# Altium PCB PCB1.PcbDoc (part 1 of 2)
Units mm, origin at the board's own origin, x right, y up, seen from the top; angles counter-clockwise.
Board outline 152.4 x 101.6 mm, 2 copper layers (Top Layer, Bottom Layer); 133 components, 97 nets, 486 pads, 36 vias.
Unrouted connection lines stored in the file: 116.
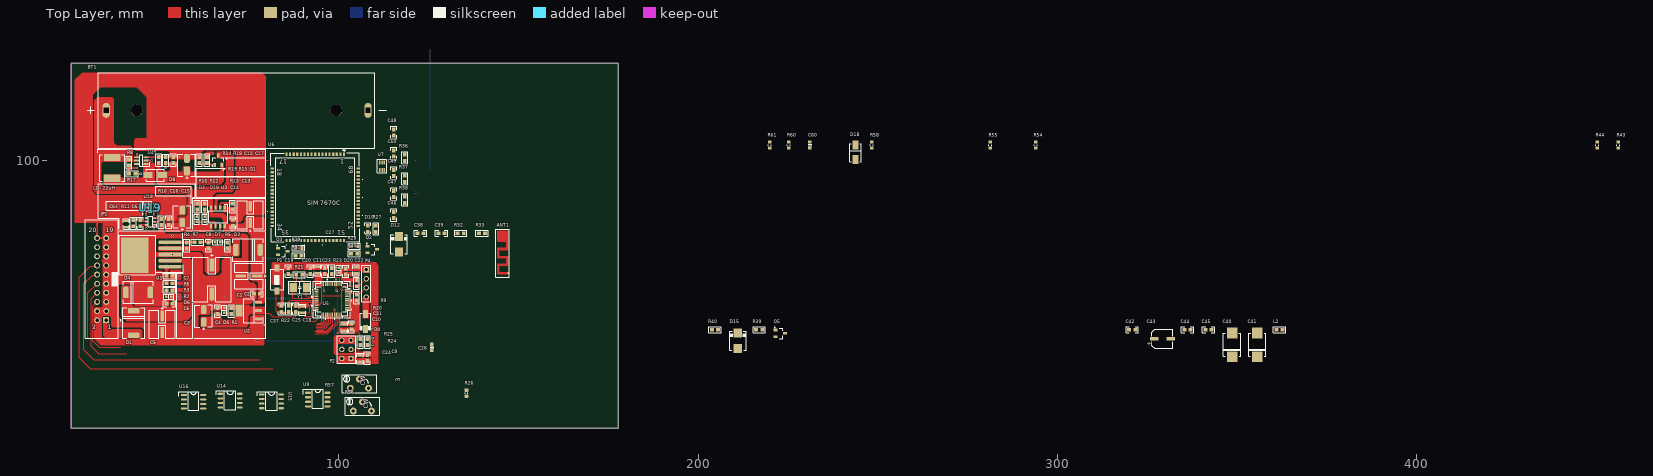
[diagram p0: Top Layer view]
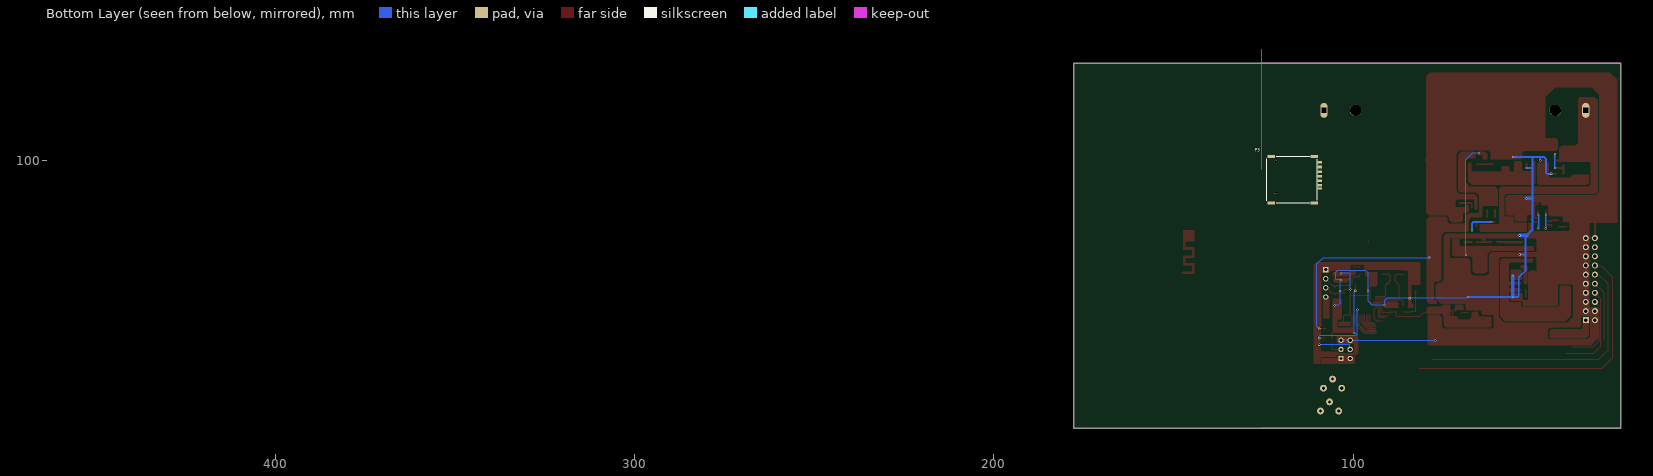
[diagram p1: Bottom Layer view, seen from below]

## Layer stack, top to bottom
Top Solder: solder mask 0.0102, Solder Resist, Dk 3.5
Top Layer: signal copper 0.0356
Dielectric 1: dielectric 0.32, FR-4, Dk 4.8
Bottom Layer: signal copper 0.0356
Bottom Solder: solder mask 0.0102, Solder Resist, Dk 3.5

## Board outline
25.4,25.4 177.8,25.4 177.8,127 25.4,127

## Design rules (kind name [scope] priority, off if disabled: settings)
Clearance [All] p1: gap=0.2 ignorepadtopadclearanceinfootprint=FALSE
PlaneConnect [All] p1: planeconnectstyle=Direct reliefexpansion=0.508 reliefentries=4 reliefconductorwidth=0.254 reliefairgap=0.254
PolygonConnect [All] p1: thpad.connectstyle=Direct thpad.reliefconductorwidth=0.254 thpad.reliefentries=4 thpad.polygonreliefangle="90 Angle" thpad.airgapwidth=0.254 smdpad.connectstyle=Direct smdpad.reliefconductorwidth=0.254 smdpad.reliefentries=4 smdpad.polygonreliefangle="90 Angle" smdpad.airgapwidth=0.254 via.connectstyle=Relief via.reliefconductorwidth=0.254 via.reliefentries=4 via.polygonreliefangle="90 Angle" via.airgapwidth=0.254
RoutingCorners [All] p1: cornerstyle=45-Degree minsetback=0.2 maxsetback=0.2
RoutingVias [All] p1: holewidth=0.2 width=0.6 viastyle="Through Hole" minholewidth=0.2 minwidth=0.6 maxholewidth=0.3 maxwidth=0.7
SolderMaskExpansion [All] p1: expansion=0.102 istentingtop=FALSE
UnRoutedNet [All] p1: checkbadconnections=TRUE
Width [All] p1: maxlimit=1 minlimit=0.15 preferedwidth=0.2
27 further rules are at their usual default settings.

## Classes and differential pairs
component class U_[F_V1]MCU_Sheet: C9 C10 C11 C18 C19 C20 C21 C22 C23 C24 C25 C27 C37 D9 D20 P1 P2 P4 R9 R20 R21 R22 R23 R24 R25 U5 Y1
component class U_[F_V1]_Sensors_And_BlockControl_Sheet: C26 C60 D18 R26 R43 R44 R54 R55 R56 R57 R58 R60 R61 U9 U12 U14 U15 U16
component class U_[F_V1]_PowerSheet: BT1 C1 C2 C3 C4 C5 C6 C7 C8 C12 C13 C14 C15 C16 C17 C63 C64 D1 D2 D3 D4 D5 D6 D7 D8 D19 JP1 L1 "L1 - 22uH" Q1 R1 R2 R3 R4 R5 R6 R7 R8 R10 R11 R12 R13 R14 R15 R16 R17 R18 R19 U1 U2 U3 U4 U18 U19
component class U_[F_V1]_CommMunication_Sheet: ANT1 C38 C39 C40 C41 C42 C43 C44 C45 C46 C47 C48 C49 C50 D10 D12 D15 L2 P3 Q3 Q5 R27 R29 R31 R32 R33 R36 R37 R38 R39 R40 U6 U7

## Components (designator, comment, footprint, x,y, rotation, side; value= is the part's Value field where it differs from the comment)
ANT1 "2.45GHz" "PATCH ANTEN 2.45GHZ" 147.361,68.429 r90 top
BT1 "PIN-18650" PIN 43.688,114.119 r0 top
C1 "100uF" "CAPACITOR 6.3x7.7mm" 74.93,67.818 r90 top
C2 "100nF" "CAPC-0603 (1608)" 77.216,62.865 r0 top value=NF
C3 "25v 10uF SMD" "CAPACITOR 4x5.4mm" 62.357,56.769 r0 top
C4 "100nF" "CAPC-0603 (1608)" 66.167,58.039 r270 top value=NF
C5 "100uF" "CAPACITOR 6.3x7.7mm" 50.8,54.356 r180 top
C6 "1uF" "CAPC-0603 (1608)" 52.835,60.053 r0 top value=NF
C7 "330uF" "CAPACITOR 8x10mm SMD" 64.643,66.816 r180 top
C8 "100nF" "CAPC-0603 (1608)" 63.662,76.334 r270 top value=NF
C9 "NF" "CAPC-0603 (1608)" 107.9,45 r270 top
C10 "10uF" "CAP 10uF SMD 0805" 101.5,53.5 r90 top
C11 "10uF" "CAP 10uF SMD 0805" 93.986,69.439 r270 top
C12 "1000nF" "CAPC-0603 (1608)" 53.848,100.076 r270 top value=NF
C13 "100uF" "CAPACITOR 6.3x7.7mm" 75.31,84.904 r0 top
C14 "100nF" "CAPC-0603 (1608)" 70.484,82.618 r270 top value=NF
C15 "25v 10uF SMD" "CAPACITOR 4x5.4mm" 56.387,84.396 r0 top
C16 "100nF" "CAPC-0603 (1608)" 52.583,82.853 r270 top value=NF
C17 "25v 10uF SMD" "CAPACITOR 4x5.4mm" 57.658,98.806 r0 top
C18 "10uF" "CAP 10uF SMD 0805" 89.906,58.441 r270 top
C19 "NF" "CAPC-0603 (1608)" 85.912,69.208 r270 top
C20 "NF" "CAPC-0603 (1608)" 92.008,69.208 r270 top
C21 "NF" "CAPC-0603 (1608)" 103.5,53.7 r90 top
C22 "10uF" "CAP 10uF SMD 0805" 104.8,69.4 r270 top
C23 "NF" "CAPC-0603 (1608)" 96.037,69.208 r270 top
C24 "10uF" "CAP 10uF SMD 0805" 105.9,44.8 r270 top
C25 "NF" "CAPC-0603 (1608)" 87.958,58.683 r270 top
C26 "104" CAPC1608X90N 125.872,47.957 r90 top
C27 "NF" "CAPC-0603 (1608)" 101.9,69.1 r270 top
C37 "NF" "CAPC-0603 (1608)" 83.9,58.683 r270 top
C38 "NF" "CAPC-0603 (1608)" 122.723,79.732 r0 top
C39 "NF" "CAPC-0603 (1608)" 128.565,79.732 r0 top
C40 "107/16V" CAP_TANTAL_2917(7343-31) 348.742,48.641 r90 top
C41 "107/16V" CAP_TANTAL_2917(7343-31) 355.727,48.641 r90 top
C42 "NF" "CAPC-0603 (1608)" 320.929,52.832 r0 top
C43 "33uF/16V" CAP_ALUM_SMD_5054_TYPE_C 329.311,50.292 r0 top
C44 "NF" "CAPC-0603 (1608)" 336.296,52.832 r0 top
C45 "NF" "CAPC-0603 (1608)" 342.138,52.832 r0 top
C46 "NF" "CAPC-0603 (1608)" 115.22,84.766 r90 top
C47 "NF" "CAPC-0603 (1608)" 115.22,90.608 r90 top
C48 "NF" "CAPC-0603 (1608)" 115.22,107.753 r90 top
C49 "NF" "CAPC-0603 (1608)" 115.22,96.45 r90 top
C50 "NF" "CAPC-0603 (1608)" 115.22,101.911 r90 top
C60 "104" CAPC1608X90N 231.14,104.267 r90 top
C63 "100nF" "CAPC-0603 (1608)" 44.704,82.511 r90 top value=NF
C64 "10uF" "CAP 10uF SMD 0805" 40.767,82.296 r270 top
D1 "S3M" S3M 42.852,54.719 r90 top
D2 "S3M" S3M 74.676,75.057 r0 top
D3 "LED - 0603" "LED - 0603" 60.464,83.558 r270 top
D4 "S3M" S3M 44.069,63.246 r180 top
D5 "LED - 0603" "LED - 0603" 68.072,58.293 r90 top
D6 "LED - 0603" "LED - 0603" 52.578,61.976 r0 top
D7 "LED - 0603" "LED - 0603" 66.292,77.266 r180 top
D8 "SS34" DIODE_DO214AC_SMA 48.895,95.885 r0 top
D9 "Diode  1N4007" DO-214AC 107.4,55.1 r270 top value=1N4007
D10 "RED" LED_0603_RED 108,80.949 r270 top
D12 "39V/11.2A" DIODE_DO214AA_SMB 116.754,76.684 r90 top
D15 "39V/11.2A" DIODE_DO214AA_SMB 211.074,49.784 r90 top
D18 "Diode Zener 3v3 1.5w" DIODE_DO214AC_SMA 243.84,102.235 r90 top
D19 "LED - 0603" "LED - 0603" 62.611,83.566 r270 top
D20 "LED - 0603" "LED - 0603" 100,69.4 r270 top
JP1 "IDC20" "CAPBLE 20" 33.909,66.929 r90 top
"L1 - 22uH" "L-22uH-0530" INDUCTOR-0630-SMD 36.83,97.917 r270 top
L2 "23R/4A" "IND-0603 (1608)" 361.95,52.832 r0 top
P1 "Value" "SW 2P SMD" 82.743,66.8 r90 top
P2 "Header 3X2A" HDR2X3_CEN 103.34,44.82 r90 top
P3 "MUP-C7801" MUP-C7801 123.5,100.7 r270 bottom
P4 "Header 4P" HDR1X4 107.605,69.58 r270 top
Q1 "20V/4A" SOT23_3 66.421,100.076 r90 top
Q2 "2SC1815" SOT23_3 109.3,75.2 r0 top
Q3 "2SC1815" SOT23_3 84.34,74.642 r0 top
Q5 "2SC1815" SOT23_3 222.885,51.816 r0 top
R1 "650R" "RESC-0603 (1608)" 69.977,58.039 r90 top value=5.1R
R2 "1.2K" "RESC-0603 (1608)" 52.832,63.881 r0 top value=5.1R
R3 "6K" "RESC-0603 (1608)" 52.832,65.786 r180 top value=5.1R
R4 "100K" "RESC-0603 (1608)" 57.658,76.327 r90 top value=5.1R
R5 "330R" "RESC-0603 (1608)" 68.947,76.31 r270 top value=5.1R
R6 "6K" "RESC-0603 (1608)" 52.832,67.818 r180 top value=5.1R
R7 "47K" "RESC-0603 (1608)" 60.59,77.208 r180 top value=5.1R
R8 "5.27K" "RESC-0603 (1608)" 41.529,99.441 r270 top value=5.1R
R9 "10K" "RESC-0603 (1608)" 104.9,65.8 r90 top value=5.1R
R10 "5.1R" "RESC-0603 (1608)" 60.579,87.122 r90 top
R11 "100R" "RESC-0603 (1608)" 42.672,82.511 r270 top value=5.1R
R12 "5.1R" "RESC-0603 (1608)" 62.611,87.122 r90 top
R13 "1.2K" "RESC-0603 (1608)" 70.357,87.19 r90 top value=5.1R
R14 "14.7K" "RESC-0603 (1608)" 49.784,100.076 r90 top value=5.1R
R15 "5.1R" "RESC-0603 (1608)" 63.246,100.076 r270 top
R16 "1K" "RESC-0603 (1608)" 50.546,82.853 r270 top value=5.1R
R17 "5K" "RESC-0603 (1608)" 42.418,96.266 r0 top value=5.1R
R18 "2K" "RESC-0603 (1608)" 51.733,100.067 r270 top value=5.1R
R19 "5.1R" "RESC-0603 (1608)" 61.087,100.076 r270 top
R20 "10K" "RESC-0603 (1608)" 104.9,61.8 r270 top value=5.1R
R21 "1K" "RESC-0603 (1608)" 88.96,68.192 r0 top value=5.1R
R22 "10K" "RESC-0603 (1608)" 86,58.683 r270 top value=5.1R
R23 "1K" "RESC-0603 (1608)" 98,69.2 r90 top value=5.1R
R24 "10K" "RESC-0603 (1608)" 105.938,49.462 r270 top value=5.1R
R25 "10K" "RESC-0603 (1608)" 107.938,49.462 r90 top value=5.1R
R26 "10K" RESC1608N_ZERO 135.524,35.169 r90 top
R27 "NF" "RESC-0603 (1608)" 110.3,80.95 r90 top
R28 "NF" "RESC-0603 (1608)" 104.25,76.1 r0 top
R29 "NF" "RESC-0603 (1608)" 88.7,75.6 r0 top
R30 "NF" "RESC-0603 (1608)" 104.25,74 r0 top
R31 "NF" "RESC-0603 (1608)" 88.7,73.5 r0 top
R32 "NF" "RESC-0603 (1608)" 133.899,79.732 r0 top
R33 "NF" "RESC-0603 (1608)" 139.868,79.732 r0 top
R36 "NF" "RESC-0603 (1608)" 118.368,100.728 r90 top
R37 "NF" "RESC-0603 (1608)" 118.368,94.886 r90 top
R38 "NF" "RESC-0603 (1608)" 118.368,89.044 r90 top
R39 "NF" "RESC-0603 (1608)" 217.043,52.832 r0 top
R40 "NF" "RESC-0603 (1608)" 204.724,52.832 r0 top
R43 "10K" RESC1608N_ZERO 456.311,104.267 r90 top
R44 "10K" RESC1608N_ZERO 450.469,104.267 r90 top
R54 "10K" RESC1608N_ZERO 294.005,104.267 r90 top
R55 "20K" RESC1608N_ZERO 281.432,104.267 r90 top
R56 "25 Turn" "TrimPot_THT_2.54mm pitch" 104,30.2 r90 top value=10K
R57 "25 Turn" "TrimPot_THT_2.54mm pitch" 103.16,36.56 r90 top value=10K
R58 "10K" RESC1608N_ZERO 248.412,104.267 r90 top
R60 "1K" RESC1608N_ZERO 225.298,104.267 r90 top
R61 "10K" RESC1608N_ZERO 219.964,104.267 r90 top
U1 "MIC29302A" MIC29302A 46.482,73.787 r90 top
U2 "AMS1117 - 3.3V" "AMS1117 -3.3V" 74.897,58.18 r90 top
U3 "TP4056" TP4056 66.293,84.269 r180 top
U4 "MT3608" MT3608 44.958,99.949 r90 top
U5 "STM32F103C8T6" STM32F103C8T6 98,61.3 r0 top
U6 "Module Sim A7670C" "Module Sim A7670C" 93.4,89.7 r180 top
U7 "SMF05CT2G" SOT65P210X140-6N 112,98.4 r270 top
U9 "LM358D" LM358 94.1,33.4 r270 top
U14 "TLC4502" TLC4502 69.7,33.1 r270 top
U15 "TLC4502" TLC4502 81.2,32.9 r270 top
U16 "LM358D" LM358 59.5,32.8 r270 top
U18 "DW01A" DW01A 47.496,82.966 r90 top
U19 "FS8205" FS8205 47.498,86.868 r270 top
Y1 "CRYSTAL - 8MHZ" "CRYSTAL - 8Mhz" 89.1,64.6 r180 top

## Footprints (in the part's own frame and the unit in brackets; to place one, negate y for a bottom-side part, rotate by r counter-clockwise, add the part's x,y. Pads: shape width x height; smd on the part's side, far side on the other; paste and mask are expansions set on the pad)
"AMS1117 -3.3V" [mm]
  rrect50% 0.8x1.9 smd: 1(-2.3,-2.7) 2(0,-2.7) 3(2.3,-2.7)
  rect 3.25x1.9 smd: 2(0,2.7)
  silkscreen extent -3.35,-4.06 3.35,1.45, body extent -3.25,-3.5 3.25,3.5, height 1.8
"CAP 10uF SMD 0805" [mm]
  rect 0.7x1.4 smd: 1(-0.9,0) 2(0.9,0)
  silkscreen extent -1.5,-0.9 1.5,0.9, body extent -1,-0.62 1,0.62, height 1.3
CAP_ALUM_SMD_5054_TYPE_C [mm]
  rect 2.4x1 smd: 1(-2.3,0) 2(2.3,0)
  silkscreen extent -2.92,-2.65 2.95,2.67, body extent -2.95,-2.65 2.95,2.65, height 5.41
CAP_TANTAL_2917(7343-31) [mm] "Chip capacitor, Body 6.0x3.2mm, IPC High Density"
  rect 3x3 smd: 1(-3.3,0) 2(3.3,0)
  silkscreen extent -3.2,-2.41 3.2,2.41, body extent -3.8,-2.3 3.8,2.3, height 3.1
"CAPACITOR 4x5.4mm" [mm]
  rrect50% 1.6x2.5 smd: 1(0,-1.75) 2(0,1.75)
  silkscreen extent -2.5,-3.94 2.3,2.97, body extent -2.25,-2.5 2.05,2.5, height 5.8
"CAPACITOR 6.3x7.7mm" [mm]
  rect 0.9x3 smd: 1(0,-2.3) 2(0,2.3)
  silkscreen extent -3.61,-4.76 3.6,3.9, body extent -3.3,-3.65 3.3,3.65, height 7.7
"CAPACITOR 8x10mm SMD" [mm]
  rect 1.4x3.7 smd: 1(0,-4.05) 1(0,-4.05) 2(0,4.05)
  silkscreen extent -5.4,-7.11 5.4,6.2, body extent -5.15,-5.85 5.15,5.85, height 10.3
"CAPBLE 20" [mm]
  rect 1.65x1.65 hole 1: 1(-11.43,-1.27)
  round 1.65 hole 1: 2(-11.43,1.27) 3(-8.89,-1.27) 4(-8.89,1.27) 5(-6.35,-1.27) 6(-6.35,1.27) 7(-3.81,-1.27) 8(-3.81,1.27) 9(-1.27,-1.27) 10(-1.27,1.27) 11(1.27,-1.27) 12(1.27,1.27) 13(3.81,-1.27) 14(3.81,1.27) 15(6.35,-1.27) 16(6.35,1.27) 17(8.89,-1.27) 18(8.89,1.27) 19(11.43,-1.27) 20(11.43,1.27)
  silkscreen extent -16.51,-5.38 16.51,4.6, body extent -16.48,-4.27 16.52,4.58, height 8.92
CAPC1608X90N [mm] "Chip Capacitor, Body 1.6x0.8mm, EIA 0603, IPC Medium Density"
  round 0.254 on Mech15: 0(0,0)
  rrect25% 0.9x1 smd: 1(-0.85,0) 2(0.85,0)
  Top Layer pour cut-out: -0.6,0.5 -0.4,0.7 0.4,0.7 0.6,0.5 0.6,-0.5 0.4,-0.7 -0.4,-0.7 -0.6,-0.5
  silkscreen extent -0.18,-0.48 0.18,0.48, body extent -0.85,-0.45 0.85,0.45, height 0.89
"CAPC-0603 (1608)" [mm] "Resistor, Chip; 1.60 mm L X 0.80 mm W X 0.50 mm H body"
  rect 1.1x1 smd mask+0.1: 1(-0.85,0) 2(0.85,0)
  silkscreen extent -1.71,-0.81 1.71,0.81, body extent -0.8,-0.4 0.8,0.4, height 0.6
"CRYSTAL - 8Mhz" [mm]
  rect 2x2.6 smd: 1(-1.85,0) 2(1.85,0)
  silkscreen extent -3.1,-1.8 3.1,1.7, body extent -2.61,-1.63 2.39,1.57, height 1.2
DIODE_DO214AA_SMB [mm] "DIODE_DO214AA_SMB type"
  rect 2.5x2.3 smd: 1(-2.198,0) 2(2.173,0)
  silkscreen extent -2.68,-2.31 2.65,2.31, body extent -2.68,-1.85 2.62,1.85, height 2.3
DIODE_DO214AC_SMA [mm] "Diode 2214AC- SMA type"
  rect 2.5x1.7 smd: 1(-2.032,0) 2(2.032,0)
  silkscreen extent -2.59,-1.63 2.46,1.7, body extent -2.53,-1.35 2.47,1.35, height 2.25
DO-214AC [mm] "JEDEC DO214 variation AC. SMA"
  round 0.508 on Mech15: 0(0,0)
  rrect25% 2.2x1.5 smd: A(-2.1,0) K(2.1,0)
  silkscreen extent -2.3,-1.4 2.3,1.4, body extent -2.6,-1.3 2.6,1.3, height 2.42
DW01A [mm]
  rect 0.4x0.8 smd: 1(-0.95,-1.1) 2(0,-1.1) 3(0.95,-1.1)
  rect 0.5x0.8 smd: 4(0.95,1.1) 5(0,1.1) 6(-0.95,1.1)
  silkscreen extent -1.5,-1.81 1.5,0.6, body extent -1.43,-1.4 1.42,1.4, height 1.35
FS8205 [mm]
  rect 0.6x0.8 smd: 1(-0.95,-1.1) 2(0,-1.1) 3(0.95,-1.1) 4(0.95,1.1) 5(0,1.1) 6(-0.95,1.1)
  silkscreen extent -1.7,-1.79 1.3,0.4, body extent -1.45,-1.4 1.45,1.4, height 1.43
HDR1X4 [mm] "Connector; Header; 4 Position"
  rect 1.5x1.5 hole 0.9: 1(0,0)
  round 1.5 hole 0.9: 2(2.54,0) 3(5.08,0) 4(7.62,0)
  silkscreen extent -1.27,-1.27 8.89,1.27, body extent -1.27,-1.27 8.89,1.27, height 7
HDR2X3_CEN [mm] "Connector; Header; 3x2 Position"
  rect 1.5x1.5 hole 0.9: 1(0,0)
  round 1.5 hole 0.9: 2(2.54,0) 3(5.08,0) 4(0,2.54) 5(2.54,2.54) 6(5.08,2.54)
  silkscreen extent -1.27,-1.27 6.35,3.81, body extent -1.27,-1.27 6.35,3.81, height 7
"IND-0603 (1608)" [mm] "Resistor, Chip; 1.60 mm L X 0.80 mm W X 0.50 mm H body"
  rect 1.1x1 smd mask+0.1: 1(-0.85,0) 2(0.85,0)
  silkscreen extent -1.71,-0.81 1.71,0.81, body extent -0.92,-0.56 0.92,0.56, height 0.9
INDUCTOR-0630-SMD [mm]
  rect 2x4.6 smd: 1(-2.9,0) 2(2.9,0)
  silkscreen extent -3.7,-3.5 3.7,3.5, body extent -3.5,-3.3 3.5,3.3, height 2.8
"LED - 0603" [mm]
  rrect50% 0.7x0.7 smd: 1(-0.7,0) 2(0.7,0)
  silkscreen extent -1.4,-0.7 1.4,0.7, body extent -0.85,-0.45 0.85,0.45, height 0.9
LED_0603_RED [mm] "LED SMD; Body 1.6 x 0.8 mm (LxW typ)"
  rect 1.1x1 smd mask+0.1: 1(-0.851,0) 2(0.849,0)
  silkscreen extent -1.71,-0.81 1.71,0.81, body extent -0.8,-0.4 0.8,0.4, height 0.75
LM358 [mm]
  oval 0.6x1.7 smd: 1(-1.905,-2.7) 2(-0.635,-2.7) 3(0.635,-2.7) 4(1.905,-2.7) 5(1.905,2.7) 6(0.635,2.7) 7(-0.635,2.7) 8(-1.905,2.7)
  silkscreen extent -2.8,-4.1 2.45,1.5, body extent -2.45,-3.01 2.45,3.01, height 1.63
MIC29302A [mm] "MIC29302A - 3.3V 3A"
  rrect50% 1.02x6.35 smd: 1(-3.4,-6.477) 2(-1.7,-6.477) 3(0,-6.477) 4(1.7,-6.477) 5(3.4,-6.477)
  rect 10x7.7 smd: 3(-0.2,3.3)
  silkscreen extent -5.67,-10.11 5.3,7.6, body extent -4.89,-6.37 4.76,7.1, height 4.36
"Module Sim A7670C" [mm] "Module Sim A7670C"
  rect 0.6x0.9 smd mask+0.1: 1(-8,-12) 2(-7,-12) 3(-6,-12) 4(-5,-12) 5(-4,-12) 6(-3,-12) 7(-2,-12) 8(-1,-12) 9(0,-12) 10(1,-12) 11(2,-12) 12(3,-12) 13(4,-12) 14(5,-12) 15(6,-12) 16(7,-12) 17(8,-12) 35(8,12) 36(7,12) 37(6,12) 38(5,12) 39(4,12) 40(3,12) 41(2,12) 42(1,12) 43(0,12) 44(-1,12) 45(-2,12) 46(-3,12) 47(-4,12) 48(-5,12) 49(-6,12) 50(-7,12) 51(-8,12)
  rect 0.9x0.6 smd mask+0.1: 18(12,-8) 19(12,-7) 20(12,-6) 21(12,-5) 22(12,-4) 23(12,-3) 24(12,-2) 25(12,-1) 26(12,0) 27(12,1) 28(12,2) 29(12,3) 30(12,4) 31(12,5) 32(12,6) 33(12,7) 34(12,8) 52(-12,8) 53(-12,7) 54(-12,6) 55(-12,5) 56(-12,4) 57(-12,3) 58(-12,2) 59(-12,1) 60(-12,0) 61(-12,-1) 62(-12,-2) 63(-12,-3) 64(-12,-4) 65(-12,-5) 66(-12,-6) 67(-12,-7) 68(-12,-8)
  silkscreen extent -13.2,-13.33 13.25,13.21, body extent -12,-12 12,12, height 2.3
MT3608 [mm]
  rrect50% 0.5x1.4 smd: 1(-0.95,-1.3) 2(0,-1.3) 3(0.95,-1.3) 4(0.95,1.3) 5(0,1.3) 6(-0.95,1.3)
  silkscreen extent -1.6,-2.3 1.6,0.4, body extent -1.45,-1.4 1.45,1.4, height 1.45
MUP-C7801 [mm]
  round 0.75 hole 0.75 unplated mask+0.102: 1(1.1,2) 1(9.6,2)
  rect 0.7x1.14 smd: 1(6.35,14.23) 2(3.81,14.23) 3(1.27,14.23) 5(7.62,14.23) 6(5.08,14.23) 7(2.54,14.23)
  rect 0.6x1.14 smd: CD(8.57,14.23)
  rect 0.8x2.1 smd: MP(-0.4,0.75) MP(-0.4,12.75) MP(12.6,0.75) MP(12.6,12.75)
  Top Layer pour cut-out: 6.46,10.275 6.46,13.225 8.26,13.225 8.26,10.275
  Top Layer pour cut-out: 1.38,6.25 1.38,9.2 3.18,9.2 3.18,6.25
  Top Layer pour cut-out: 3.92,6.25 3.92,9.2 5.72,9.2 5.72,6.25
  Top Layer pour cut-out: 6.46,6.25 6.46,9.2 8.26,9.2 8.26,6.25
  Top Layer pour cut-out: 6.46,0.275 6.46,3.225 8.26,3.225 8.26,0.275
  Top Layer pour cut-out: 3.92,0.275 3.92,3.225 5.72,3.225 5.72,0.275
  Top Layer pour cut-out: 1.38,0.275 1.38,3.225 3.18,3.225 3.18,0.275
  silkscreen extent -0.38,-0.5 12.57,13.47, body extent -0.4,0 12.6,14.45, height 1.35
"PATCH ANTEN 2.45GHZ" [mm]
  rect 0.45x0.45 smd mask+0.102: 1(0.225,0.225)
  Top Layer region: 0,0 0.45,0 0.45,2.75 2.318,2.75 2.318,0.156 4.868,0.156 4.868,2.75 6.736,2.75 6.736,0.156 12.004,0.156 12.004,3.2 9.036,3.2 9.036,0.606 7.186,0.606 7.186,3.2 4.418,3.2 4.418,0.606 2.768,0.606 2.768,3.2 0,3.2
  Top Layer lines w0.02: 0,3.2 0,0 0.45,0 0.45,2.75 2.318,2.75 2.318,0.156 4.868,0.156 4.868,2.75 6.736,2.75 6.736,0.156 12.004,0.156 12.004,3.2 9.036,3.2 9.036,0.606 7.186,0.606 7.186,3.2 4.418,3.2 4.418,0.606 2.768,0.606 2.768,3.2 0,3.2
  silkscreen extent -1,0 12.35,3.7
PIN [mm]
  oval 2.07x4.14 hole 1.38 square: 1(-8.495,-0.2) 2(64.405,-0.2)
  round 3.2 hole 3.2 unplated: ""(0,-0.2) ""(55.615,-0.2)
  silkscreen extent -13.83,-10.69 69.43,10.29, body extent -11.4,-10.65 66.3,10.25, height 21.91
RESC1608N_ZERO [mm] "Chip Resistor, Body 1.6x0.8mm, 0603, IPC Medium Density"
  round 0.254 on Mech15: 0(0,0)
  rrect25% 0.9x1 smd: 1(-0.85,0) 2(0.85,0)
  Top Layer pour cut-out: -0.6,0.5 -0.4,0.7 0.4,0.7 0.6,0.5 0.6,-0.5 0.4,-0.7 -0.4,-0.7 -0.6,-0.5
  silkscreen extent -0.15,-0.41 0.15,0.41, body extent -0.87,-0.47 0.88,0.48, height 0.54
"RESC-0603 (1608)" [mm] "Resistor, Chip; 1.60 mm L X 0.80 mm W X 0.50 mm H body"
  rect 1.1x1 smd mask+0.1: 1(-0.85,0) 2(0.85,0)
  silkscreen extent -1.71,-0.81 1.71,0.81, body extent -0.8,-0.4 0.8,0.4, height 0.5
S3M [mm]
  rrect50% 1.524x3.27 smd: 1(-3.405,0) 2(3.405,0)
  silkscreen extent -4.2,-3.1 4.2,3.1, body extent -3.97,-2.95 3.97,2.95, height 2.85
SOT23_3 [mm] "SOT23, 3-Leads, Body 2,90x2,30mm, Pitch 0,95mm, IPC Medium Density"
  rect 1.1x0.7 smd: 1(-1.3,0.95) 2(-1.3,-0.95) 3(1.3,0)
  silkscreen extent -1.65,-1.5 0.7,1.78, body extent -1.3,-1.5 1.3,1.5, height 1.1
SOT65P210X140-6N [mm] "SOT23, 6-Leads, Body 2.00x2.10mm, Pitch 0.65mm, IPC Medium Density"
  round 0.4 on Top Overlay: 0(-1.4,1.1)
  rect 1.15x0.4 smd: 1(-1.05,0.65) 2(-1.05,0) 3(-1.05,-0.65) 4(1.05,-0.65) 5(1.05,0) 6(1.05,0.65)
  silkscreen extent -1.88,-1.35 1.88,1.35, body extent -1.13,-1 1.13,1, height 1
STM32F103C8T6 [mm]
  rect 1.2x0.3 smd: 1(-4.25,2.74) 2(-4.25,2.25) 3(-4.25,1.75) 4(-4.25,1.25) 5(-4.25,0.75) 6(-4.25,0.25) 7(-4.25,-0.25) 8(-4.25,-0.75) 9(-4.25,-1.25) 10(-4.25,-1.75) 11(-4.25,-2.25) 12(-4.25,-2.75) 25(4.25,-2.75) 26(4.25,-2.25) 27(4.25,-1.75) 28(4.25,-1.25) 29(4.25,-0.75) 30(4.25,-0.25) 31(4.25,0.25) 32(4.25,0.75) 33(4.25,1.25) 34(4.25,1.75) 35(4.25,2.25) 36(4.25,2.75)
  rect 0.3x1.2 smd: 13(-2.75,-4.25) 14(-2.25,-4.25) 15(-1.75,-4.25) 16(-1.25,-4.25) 17(-0.75,-4.25) 18(-0.25,-4.25) 19(0.25,-4.25) 20(0.75,-4.25) 21(1.25,-4.25) 22(1.75,-4.25) 23(2.25,-4.25) 24(2.75,-4.25) 37(2.75,4.25) 38(2.25,4.25) 39(1.75,4.25) 40(1.25,4.25) 41(0.75,4.25) 42(0.25,4.25) 43(-0.25,4.25) 44(-0.75,4.25) 45(-1.25,4.25) 46(-1.75,4.25) 47(-2.25,4.25) 48(-2.75,4.25)
  silkscreen extent -5.7,-5.61 5.63,5.61, body extent -4.5,-4.46 4.5,4.54, height 1.48
"SW 2P SMD" [mm]
  rect 2x1.4 smd: 1(-3.2,-0.051) 2(3.2,-0.051)
  silkscreen extent -2.82,-1.91 2.82,1.8, body extent -3.05,-1.9 3.05,1.8, height 2.5
TLC4502 [mm]
  oval 0.6x1.55 smd: 1(-1.905,-2.7) 2(-0.635,-2.7) 3(0.635,-2.7) 4(1.905,-2.7) 5(1.905,2.7) 6(0.635,2.7) 7(-0.635,2.7) 8(-1.905,2.7)
  silkscreen extent -2.7,-3.9 2.5,1.6, body extent -2.45,-2.97 2.45,3.05, height 1.63
TP4056 [mm]
  rrect50% 0.6x1.2 smd: 1(-1.905,-2.6) 1(-1.905,-2.6) 2(-0.635,-2.6) 3(0.635,-2.6) 4(1.905,-2.6) 5(1.905,2.6) 6(0.635,2.6) 7(-0.635,2.6) 8(-1.905,2.6)
  silkscreen extent -2.7,-3.55 2.5,1.6, body extent -2.45,-3 2.45,3, height 1.75
"TrimPot_THT_2.54mm pitch" [mil] "TRIMMER, MURATA, PV36Y"
  round 75 hole 35: 1(0,0) 2(100,-100) 3(0,-200)
  silkscreen extent -47,-291 150,91, body extent -47,-287 150,91, height 445

## Part data
ANT1: library part "PCB antenna 2.45GHZ", "PCB ANTENNA 2.45GHZ"
C1 C5 C13: library part "25V 100uF SMD"
C2 C4 C6 C8 C9 C12 C14 C16 C19 C20 C21 C23 C25 C27 C37 C38 C39 C42 C44 C45 C46 C47 C48 C49 C50 C63: library part "CAPC NF 0603", "CAP SMD, Not Fill, 0603", Category=CAPACITOR, Solder="Not Fill"
C7: library part "25V 330uF SMD"
C10 C11 C18 C22 C24 C64: library part "CAP 0805 10uF SMD"
C26 C60: library part "CAP C_0603", "Capacitor SMD Cer 470nF 10% 16V X7R 0603", Manufacturer 1="Murata Electronics North America", Manufacturer 2="TDK Corporation", Manufacturer 3="Taiyo Yuden", Manufacturer 4=Samsung, Manufacturer Part Number 1=GRM188R71C474KA88D, Manufacturer Part Number 2=C1608X7R1C474K, Manufacturer Part Number 3=EMK107B7474KA-T, Manufacturer Part Number 4=CL10B474KONE, Package / Case="0603 (1608 metric)", Ratings="16V; X7R", Supplier Part Number 1=490-3295-2-ND, Tolerance=±10%, ComponentLink1Description=http://psearch.murata.com/capacitor/product/GRM188R71C474KA88#.pdf, ComponentLink1URL=http://psearch.murata.com/capacitor/product/GRM188R71C474KA88#.pdf, ComponentLink2Description=http://product.tdk.com/capacitor/mlcc/en/documents/mlcc_commercial_general_en.pdf, ComponentLink2URL=http://product.tdk.com/capacitor/mlcc/en/documents/mlcc_commercial_general_en.pdf, ComponentLink3Description=http://www.yuden.co.jp/or/product/category/capacitor/EMK107B7474KA-T.pdf, ComponentLink3URL=http://www.yuden.co.jp/or/product/category/capacitor/EMK107B7474KA-T.pdf, Material=ceramic, SCDType=spec, Supplier 1=Digi-Key, Supplier 2=Digi-Key, Supplier 3=Digi-Key, Supplier Part Number 2=445-5192-2-ND, Supplier Part Number 3=587-1250-2-ND
C40 C41: library part TAJD107K016RNJ, "CAP TANT 100uF 16V 10% 2917", Category=CAPACITOR, CompanyID=VT-00022, MPN=TAJD107K016RNJ, PinCount=2, Solder=SMT
C43: library part EEE-FK1C330P, "CAP ALUM 33uF 20% 16V SMD", MFR=Panasonic, Category=CAPACITOR, MPN=EEE-FK1C330P, PinCount=2, Solder=SMT
D8: "DIODE SCHOTTKY 40V 3A SMA", MPN=SS34, Solder=SMT
D9: "Diode 1A"
D10: library part "LED RED 0603", "LED RED 0603 SMD", Solder=SMT
D12 D15: library part P6SMB39AT3G, "TVS DIODE 39V  600W SMB", CompanyID=VT-00089, MPN=P6SMB39AT3G, Solder=SMT
D18: library part "1SMA5913BT3G; BZG05C3V3TR", "DIODE ZENER 3.3V 1.5W SMA, DO-214AC", MPN=1SMA5913BT3G, CompanyID=VT-00944, Solder=SMT
JP1: library part "CAPBLE 20", "Flat Cable Connector (IDC), Standard Male Header, Straight Press-in Pin, 20 Contacts, Performance Level 2", PackageDocument=Feb-2000, ComponentLink1Description="Manufacturer Link", ComponentLink1URL=http://www.harting.com/, ComponentLink2Description="Packaging Specification", ComponentLink2URL=http://www.harkis.harting.com/_sek/pdf/TB_0918520x329_BL01_R32154.pdf, DrillSize="Corresponds to nominal value.", PackageReference=918520x329, PCB_Layout="Complies with manufacturer's recommendation.", Published=15-Nov-2004, Publisher="Altium Limited"
L2: library part FBMJ1608HM230NT, "IND-FERRITE BEAD 23 OHM  4A 0603 1LN", Category="FERRITE BEAD", CompanyID=VT-01060, MPN=FBMJ1608HM230NT, PinCount=2, Solder=SMT
P1: library part "Button 2 SMD", "SMD Mini Push Button Switch 2 Pin 3x6x2.7mm", MPN="SMD Mini Push Button 2 SMD", Link=https://ram-e-shop.com/product/press2pin-smd/
P2: "Header, 3-Pin, Dual row", LatestRevisionDate=17-Jul-2002, LatestRevisionNote="Re-released for DXP Platform.", Publisher="Altium Limited"
P3: "NanoSIM Card Push - Push Holder", MFR=MUP, MPN=C7801, Solder=SMT
P4: library part "Header 4x1", "Header, 4 Pin Pitch 2.54mm", MPN=S1012EC-40-ND, CompanyID=VT-00125, Solder=WAVE
Q1: library part AO3415, "MOSFET P-CH 20V 4A SOT23", MFR="Alpha & Omega Semiconductor Inc.", MPN=AO3415, Solder=SMT
Q2 Q3 Q5: "TRANS NPN 50V 0.15A SOT23-3", MPN=2SC1815, Solder=SMT
R1 R2 R3 R4 R5 R6 R7 R8 R9 R10 R11 R12 R13 R14 R15 R16 R17 R18 R19 R20 R21 R22 R23 R24 R25: library part CRCW06035R10FKEA, "RES SMD 5.1 OHM 1% 1/10W 0603", MFR="Vishay Dale", Category=RESISTOR, MPN=CRCW06035R10FKEA, PinCount=2, Solder=SMT
R26 R43 R44 R54 R55 R58 R60 R61: library part RES_0603, "Resistor SMD chip 0.0 Ohm 0.1W 0603", Manufacturer 1=Vishay/Dale, Manufacturer 2="Panasonic Electronic Components", Manufacturer 3=Yageo, Manufacturer Part Number 1=CRCW06030000Z0EA, Manufacturer Part Number 2=ERJ-3GEY0R00V, Manufacturer Part Number 3=AC0603JR-070RL, Package / Case="0603 (1608metric)", Ratings=1/10W, Supplier Part Number 1=541-0.0GCT-ND, Tolerance=±5%, ComponentLink1Description=http://www.vishay.com/doc?20035, ComponentLink1URL=http://www.vishay.com/doc?20035, ComponentLink2Description=http://industrial.panasonic.com/www-cgi/jvcr13pz.cgi?E+PZ+3+AOA0001+ERJ3GEY0R00V+7+WW, ComponentLink2URL=http://industrial.panasonic.com/www-cgi/jvcr13pz.cgi?E+PZ+3+AOA0001+ERJ3GEY0R00V+7+WW, ComponentLink3Description=http://www.yageo.com/documents/recent/PYu-AC_51_RoHS_L_2.pdf, ComponentLink3URL=http://www.yageo.com/documents/recent/PYu-AC_51_RoHS_L_2.pdf, RoHS 2="RoHS Compliant", RoHS 3="RoHS Compliant", SCDType=spec, Supplier 1=Digi-Key, Supplier 2=Digi-Key, Supplier 3=Digi-Key, Supplier Part Number 2=P0.0GTR-ND, Supplier Part Number 3=311-0.0LECT-ND
R27 R28 R29 R30 R31 R32 R33 R36 R37 R38 R39 R40: library part "RESC NF 0603", "RES SMD, Not Fill, 0603", Category=RESISTOR, Solder="Not Fill"
R56 R57: library part RES_TRIMMER_1K_25T_THT, "Trimmer, 25-Turn, 1K cermet", Manufacturer 1="Murata Electronics North America", Manufacturer Part Number 1=PV36Y102C01B00, Ratings="25 turn variable cermet", Supplier Part Number 1=490-2912-ND, Tolerance=10%, SCDType=spec, Supplier 1=Digi-Key
U7: library part SMF05C, "TVS Diode Array For ESD and Latch-Up Protection", MFR="ON SEMICONDUCTOR", Category=IC, CompanyID=VT-0, MPN=SMF05CT2G, Solder=SMT

## Via types
v1: diameter 0.6, hole 0.2, Top Layer to Bottom Layer, tented both sides, 19 vias
v2: diameter 0.6, hole 0.2, Top Layer to Bottom Layer, 17 vias

## Nets (pads, with @x,y where several pads share a name; then routed paths per layer and width w, separated by ;. In a path a pad name is that pad's centre, name@x,y a point inside that pad or via, vN(x,y) a via of type N, cw(c..) or ccw(c..) an arc to the next point about the centre after c; other vN are vias at no path point)
5V_CTR_UBATT: D9.A P4.4 | length 4.1
  Top Layer w0.2: D9.A@107.4,57.4 107.405,57.405 P4.4@107.405,61.46
12V_IN: D1.1 JP1.1 | length 11.6
  Top Layer w1: JP1.1@35.179,55.499 35.179,52.197 36.068,51.308 43.009,51.308 D1.1@43.053,51.264 ; D1.1@43.029,51.054 D1.1@43.053,51.078
BOOT0_PIN: R24.1 U5.40 | length 21.6
  Top Layer w0.2: U5.40@99.25,65.55 99.25,63.958 99.4,63.808 v2(99.4,63.7) ; v2(99.6,51.9) 99.65,51.95 105.683,51.95 105.8,51.833 105.8,50.45 R24.1@105.938,50.312
  Bottom Layer w0.2: v2(99.4,63.7) 99.4,63.592 99.6,63.392 v2(99.6,51.9)
BOOT1_PIN: R25.2 U5.20 | length 21.2
  Top Layer w0.2: U5.20@98.75,57.05 98.773,57.073 98.773,58.375 v2(98.796,58.398) ; R25.2@107.938,50.312 108.106,50.481 v1(109.407,50.481)
  Bottom Layer w0.2: v2(98.796,58.398) 98.796,51.404 98.917,51.283 99.503,51.24 99.543,51.2 109.29,51.2 109.407,51.083 v1(109.407,50.481)
CTS: U6.7
D0_PH_SENSOR: U16.1
DCD: U6.5
DIP_OSC_IN: C20.2 R21.2 U5.5 Y1.1 | length 13.4
  Top Layer w0.2: Y1.1@90.217,65.8 90.619,65.398 Y1.1@90.902,65.398 ; Y1.1@90.95,64.6 90.95,65.35 Y1.1@90.937,65.363 ; C20.2@92.008,68.358 89.976,68.358 R21.2@89.81,68.192 89.7,68.082 89.7,66.6 Y1.1@90.902,65.398 ; U5.5@93.75,62.05 91.104,62.05 90.937,62.217 Y1.1@90.937,65.363 ; Y1.1@90.902,65.398 90.937,65.398 Y1.1@90.937,65.363 ; Y1.1@90.902,65.398 Y1.1@90.937,65.363
DIP_OSC_OUT: C19.2 R21.1 U5.6 Y1.2 | length 16
  Top Layer w0.2: C19.2@85.912,68.358 86.078,68.192 R21.1@88.11,68.192 88.3,68.002 88.3,66.461 87.237,65.398 87.1,65.261 87.1,61.8 87.35,61.55 U5.6@93.75,61.55
DTR: U6.3
GND: BT1.2 C1.2 C2.1 C3.2 C4.1 C5.2 C6.1 C7.2 C8.1 C9.1 C10.1 C11.1 C12.1 C13.2 C14.1 C15.2 C16.1 C17.2 C18.1 C19.1 C20.1 C21.1 C22.1 C23.1 C24.1 C25.1 C26.2 C27.1 C37.1 C38.1 C39.1 C40.2 C41.2 C42.1 C43.2 C44.1 C45.1 C46.1 C47.1 C48.1 C49.1 C50.1 C60.2 C64.1 D4.1 D5.2 D6.2 D7.2 D12.1 D15.1 D18.1 D20.2 JP1.2 JP1.3 JP1.4 JP1.5 JP1.7 JP1.9 JP1.11 JP1.13 JP1.15 JP1.16 JP1.17 JP1.18 JP1.19 JP1.20 P1.2 P2.3 P2.6 P3.5 P4.1 Q2.2 Q3.2 Q5.2 R6.1 R7.1 R9.2 R13.1 R16.2 R17.2 R18.2 R19.1 R20.2 R27.1 R30.2 R31.2 R40.2 R44.1 R44.2 R57.1 R58.2 R61.1 U1.3 U2.1 U3.1 U3.3 U4.2 U5.8 U5.23 U5.35 U5.47 U6.2 U6.17 U6.18 U6.29 U6.39 U6.45 U6.46 U6.54 U6.58 U6.59 U6.61 U6.62 U6.63 U6.64 U6.65 U7.2 U9.4 U14.4 U15.4 U19.1 | length 574.5
  Top Layer w0.2: 75.565,100.33 75.794,100.101 80.264,100.101 ; P1.2@83.045,70.1 83.8,70.1 ; C37.1@83.9,59.533 84,59.633 84,61.292 84.2,61.492 v1(84.2,61.6) 84.2,69.7 83.8,70.1 ; C25.1@87.958,59.533 87.958,60.433 88.075,60.55 90.024,60.55 ; C18.1@89.906,59.341 89.906,60.433 90.024,60.55 ; v1(91.2,59.7) 91.25,59.75 91.25,60.55 ; U5.8@93.75,60.55 91.25,60.55 ; 95.559,77.154 U6.45@95.559,77.6 ; U5.47@95.75,65.55 95.775,65.525 95.775,63.725 v1(95.8,63.7) ; D20.2@100,68.7 100.8,68.7 ; U5.23@100.25,57.05 100.25,52.917 100.367,52.8 104.6,52.8 105.2,53.4 v1(105.2,59.6) 105.2,60.65 R20.2@104.9,60.95 ; P2.6@100.8,49.9 99.8,49.9 99.5,49.6 99.5,46.217 99.617,46.1 105.183,46.1 105.3,45.983 105.3,45.95 105.55,45.7 C24.1@105.9,45.7 106.05,45.85 C9.1@107.9,45.85 ; U5.35@102.25,63.55 102.3,63.6 103.55,63.6 v1(103.6,63.65) ; C22.1@104.8,70.3 105,70.1 107.14,70.1 P4.1@107.6,69.64 ; C22.1@104.8,70.339 102.389,70.339 102,69.95 101.7,70.25 100.8,70.25 ; R9.2@104.9,66.65 104.882,66.668 v1(103.4,66.668) 101.432,66.668 100.8,67.3 100.8,68.7 ; 83.8,70.1 85.87,70.1 C19.1@85.912,70.058 C20.1@92.008,70.058 93.986,70.058 C23.1@96.037,70.058 96.037,71.283 96.154,71.4 100.683,71.4 100.8,71.283 100.8,70.25 ; 90.024,60.55 91.25,60.55 ; 100.8,68.7 100.8,69.3 100.8,70.25
  Top Layer w0.3: P2.6@100.8,50.4 P2.3@103.34,50.4
  Top Layer w0.5: JP1.2@32.639,55.499 JP1.4@32.639,58.039 JP1.3@35.179,58.039 ; JP1.13@35.3,70.6 JP1.13@35.179,70.721 ; U1.3@40.205,69.415 U1.3@44.577,73.787 ; C64.1@40.767,83.196 40.767,88.988 40.806,89.027 ; 40.803,67.401 39.443,66.04 35.871,66.04 35.49,65.659 JP1.9@35.179,65.659 ; U1.3@43.182,73.587 43.182,74.737 47.273,78.828 50.673,78.828 ; R17.2@43.277,96.266 v1(44.817,96.266) ; 45.32,62.865 45.32,61.995 45.339,61.976 45.339,60.129 45.397,60.071 52.053,60.071 52.285,60.303 52.285,60.748 53.178,61.642 53.178,61.876 D6.2@53.278,61.976 v1(55.499,61.976) ; U19.1@46.398,87.818 46.398,89.027 ; U4.2@46.639,99.949 v1(47.879,99.949) ; R16.2@50.546,82.003 50.546,78.955 50.673,78.828 ; v1(51.711,97.88) 51.722,97.891 51.722,99.206 R18.2@51.733,99.217 ; C6.1@51.985,60.053 C6.1@52.035,60.053 ; C16.1@52.583,83.703 52.583,85.853 ; C12.1@53.6,100.902 55.282,100.902 55.345,100.965 v1(55.372,100.965) 55.399,100.965 55.438,100.926 C17.2@57.658,100.926 ; C15.2@56.387,86.146 52.876,86.146 52.583,85.853 ; C17.2@57.658,100.556 C17.2@57.658,100.926 ; R19.1@61.087,100.926 C17.2@57.658,100.926 ; R7.1@61.589,77.259 63.587,77.259 C8.1@63.662,77.184 C8.1@63.703,77.225 ; C7.2@64.643,62.766 67.945,62.766 ; D7.2@65.592,77.266 65.551,77.225 C8.1@63.703,77.225 ; U3.3@65.658,86.869 65.658,89.115 65.951,89.408 74.918,89.408 75.211,89.115 ; D5.2@67.945,59.087 v1(67.945,61.976) 67.945,62.766 ; D5.2@68.006,59.087 66.544,59.087 66.448,58.991 66.396,58.991 66.079,58.674 62.512,58.674 C3.2@62.357,58.519 62.357,58.15 61.818,57.612 61.45,57.612 55.894,52.056 C5.2@50.8,52.056 49.11,52.056 46.937,54.229 38.989,54.229 JP1.3@35.179,58.039 ; U3.1@68.198,86.869 68.198,86.655 68.248,86.605 70.107,86.605 70.372,86.34 75.11,86.34 75.31,86.54 C13.2@75.31,87.204 75.31,102.744 73.406,104.648 59.182,104.648 57.658,103.124 C17.2@57.658,100.926 ; R13.1@70.357,86.34 70.421,86.277 70.421,83.532 C14.1@70.484,83.468 ; C2.1@76.366,62.865 76.267,62.766 72.517,62.766 ; JP1.3@35.179,58.039 JP1.5@35.179,60.579 JP1.7@35.179,63.119 JP1.9@35.179,65.659 ; JP1.9@35.179,65.659 JP1.11@35.179,68.199 JP1.13@35.179,70.721 ; JP1.13@35.179,70.721 JP1.13@35.179,70.739 JP1.15@35.179,73.279 JP1.17@35.179,75.819 JP1.19@35.179,78.359 JP1.20@32.639,78.359 32.592,78.406 32.592,88.472 33.147,89.027 40.806,89.027 ; 40.806,89.027 46.398,89.027 ; 46.398,89.027 52.29,89.027 52.583,88.734 52.583,85.853 ; 50.673,78.828 63.713,78.828 ; C8.1@63.703,77.225 63.713,77.235 63.713,78.828 ; 63.713,78.828 64.006,79.121 73.494,79.121 73.787,78.828 73.787,68.018 73.587,67.818 C1.2@72.63,67.818 72.63,67.731 72.517,67.618 72.517,62.766 ; 67.945,62.766 72.517,62.766
  Top Layer w1: U1.3@40.205,69.415 40.205,67.999 40.803,67.401 41.402,66.802 45.007,66.802 45.593,66.216 45.593,62.865 D4.1@47.474,62.865 ; U1.3@44.577,73.787 U1.3@52.959,73.787 ; R6.1@53.682,67.818 v1(55.499,67.818)
  Bottom Layer w0.2: v1(67.945,61.976) 68.042,61.976 68.418,61.6 v1(84.2,61.6) 90.6,61.6 91.2,61 v1(91.2,59.7) 94.7,59.7 95.8,60.8 v1(95.8,63.7) 95.8,68.7 96.4,69.3 104.4,69.3 104.8,68.9 104.8,66.9 104.6,66.7 103.432,66.7 v1(103.4,66.668) ; v2(77.1,49.8) 100.7,49.8 P2.6@100.8,49.9 P2.3@103.34,49.9 ; 103.6,66.392 v1(103.6,63.65) 103.6,60.2 104.2,59.6 v1(105.2,59.6)
  Bottom Layer w0.5: v1@44.844,96.247 44.907,96.247 44.934,96.22 45.935,96.22 46.228,96.513 46.228,100.291 46.902,100.965 v1(55.372,100.965) ; v1(47.879,99.949) 47.879,100.584 ; 50.06,100.81 50.06,97.917 ; v1(51.711,97.88) 50.097,97.88 50.06,97.917 ; v1(53.594,73.787) 51.943,73.787 ; v1(67.945,61.976) v1(55.499,61.976) 54.102,61.976 53.848,62.23 53.848,67.437 51.943,69.342 51.943,73.787 ; 50.06,97.917 50.06,97.499 50.049,97.488 50.049,89.408 50.049,89.038 50.038,89.027 50.038,80.645 51.625,79.057 51.943,78.74 51.943,73.787
  Bottom Layer w1: 50.049,89.408 v1(51.689,89.408) ; 51.625,79.057 51.689,79.121 v1(53.594,79.121) ; v1(55.499,61.976) v1(55.499,67.818)
NET_LIGHT: D10.1 U6.52
NetANT1_1: ANT1.1 D12.2 R33.1